# Altium PCB PCB_V_2.PcbDoc
Units mm, origin at the board's own origin, x right, y up, seen from the top; angles counter-clockwise.
Board outline 110 x 73 mm, 2 copper layers (Top Layer, Bottom Layer); 35 components, 51 nets, 179 pads, 21 vias.
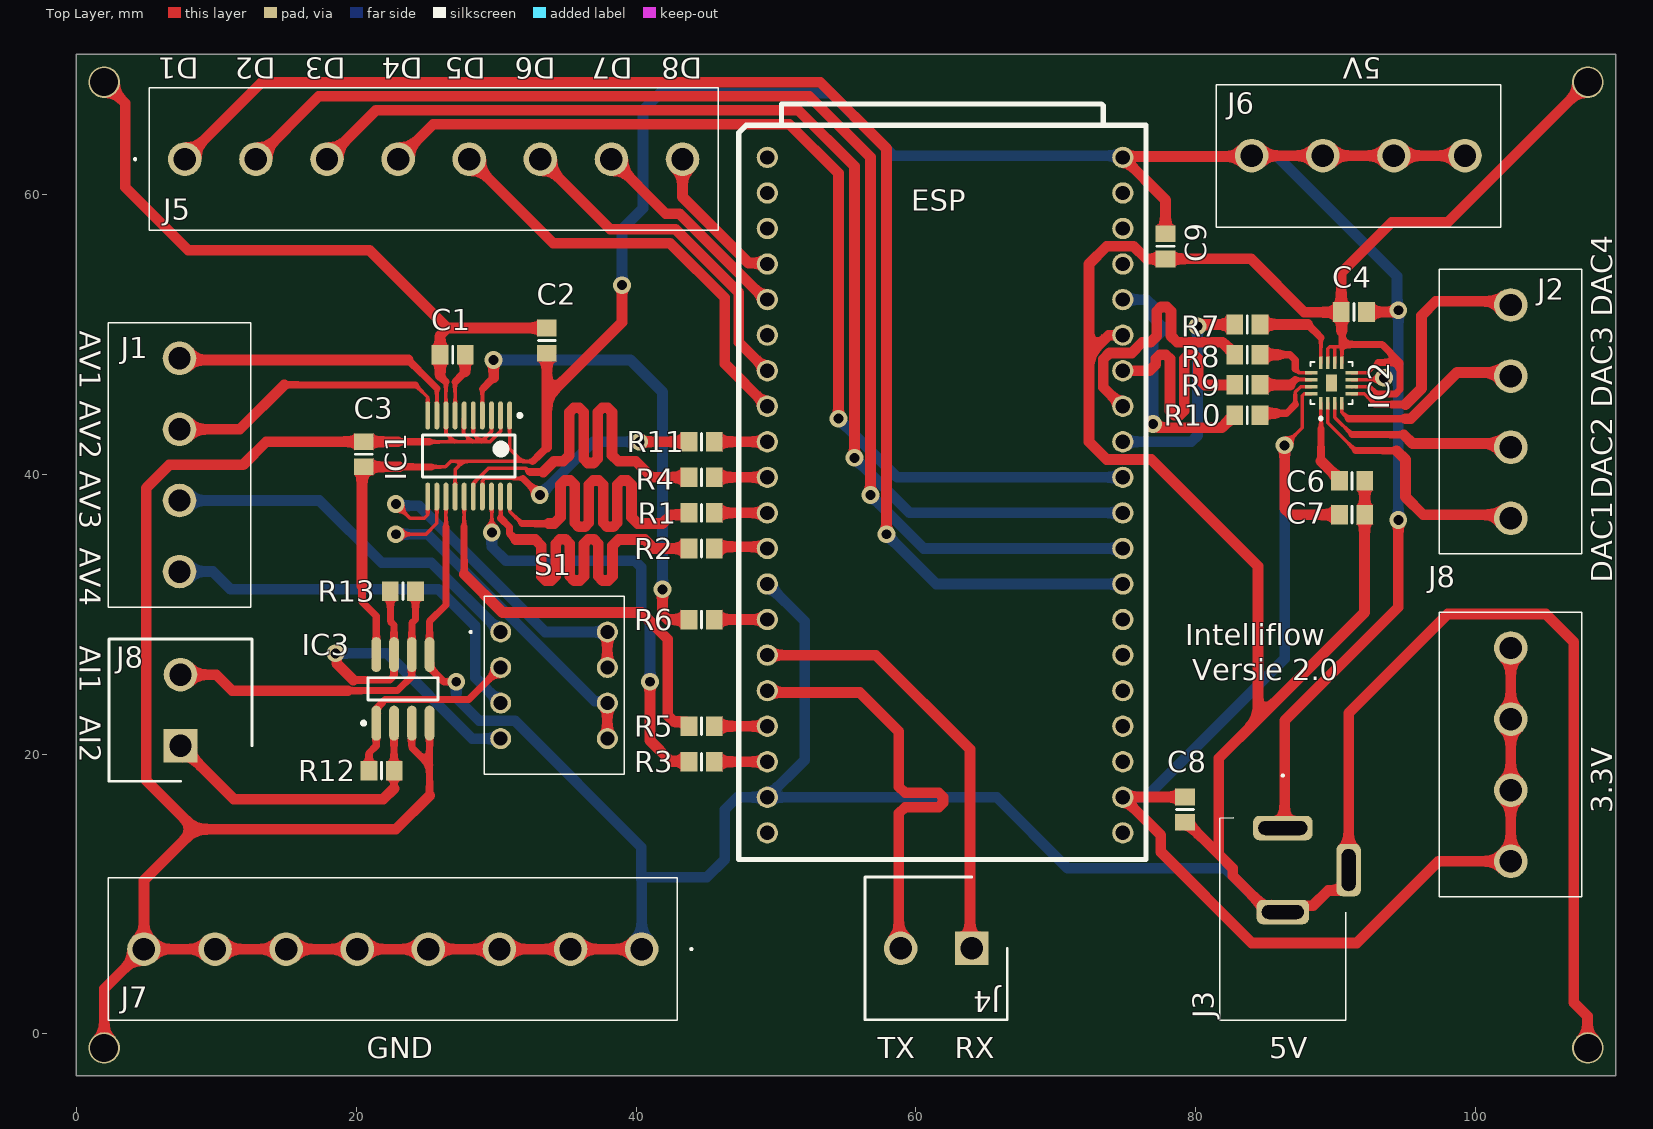
[diagram p0: Top Layer view]
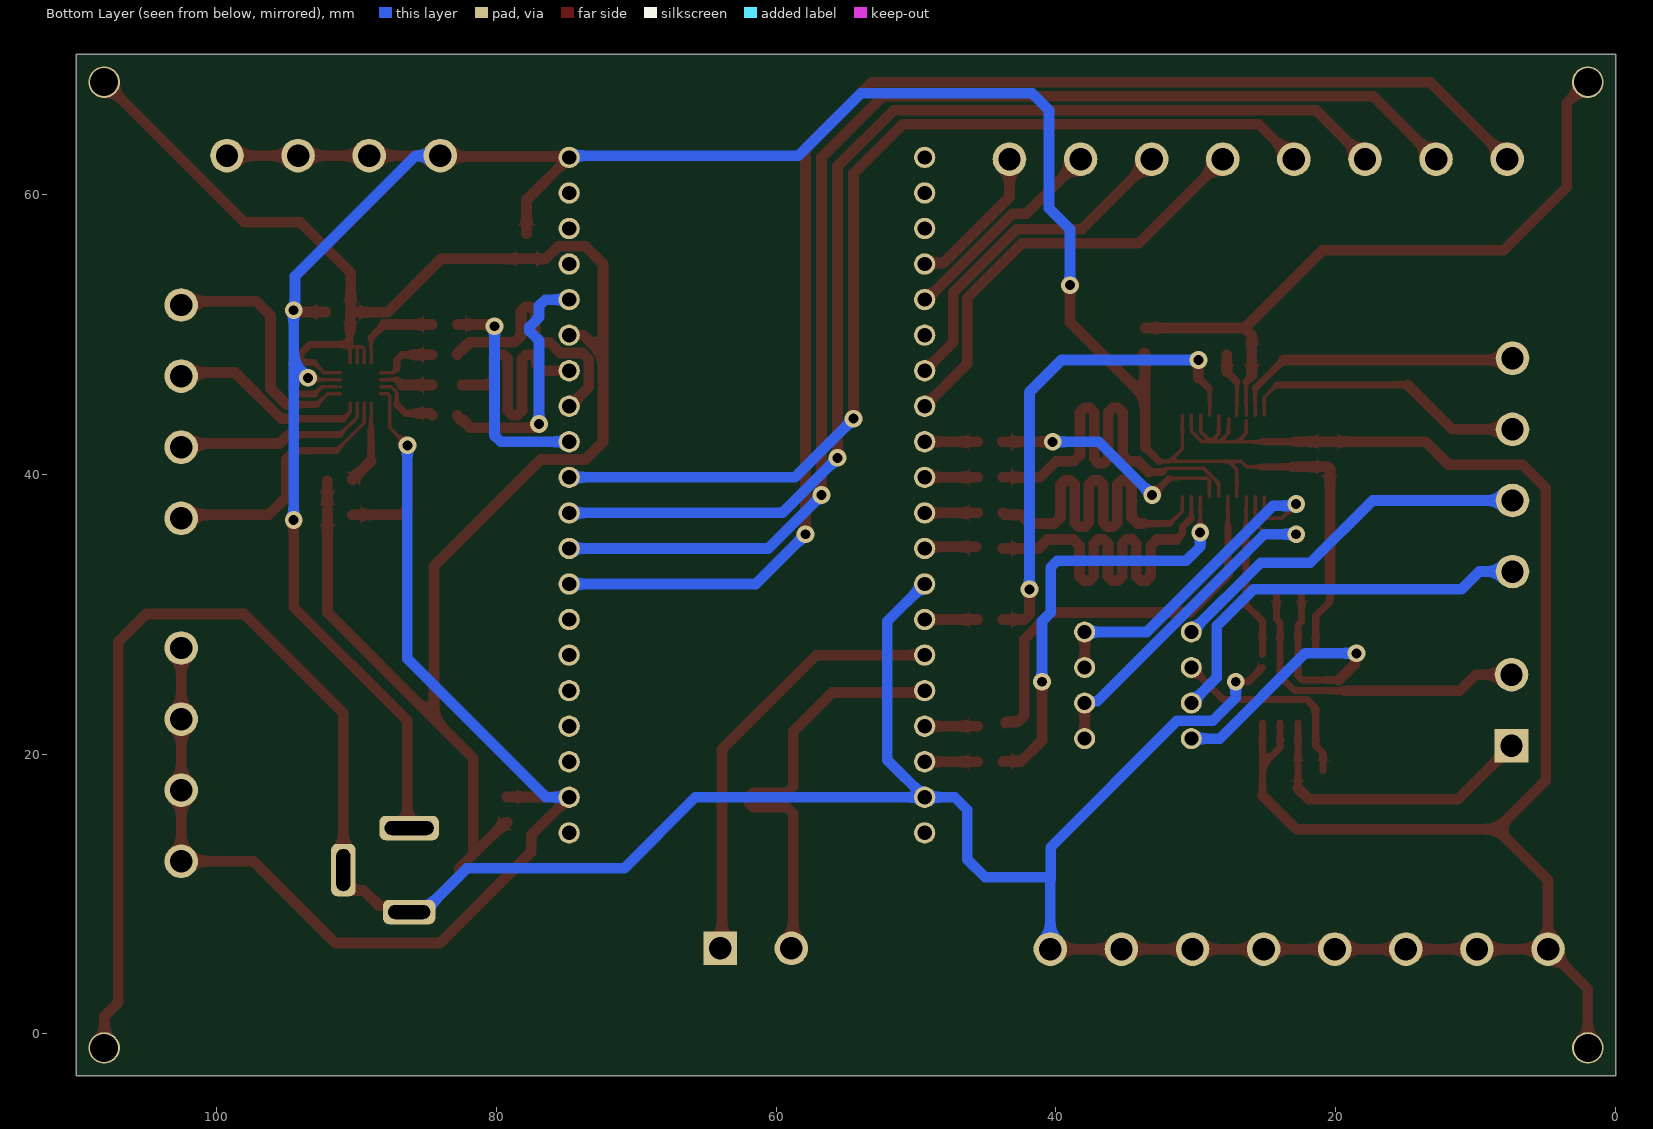
[diagram p1: Bottom Layer view, seen from below]

## Layer stack, top to bottom
Top Solder: solder mask 0.0102, Solder Resist, Dk 3.5
Top Layer: signal copper 0.0356
Dielectric 1: dielectric 0.32, FR-4, Dk 4.8
Bottom Layer: signal copper 0.0356
Bottom Solder: solder mask 0.0102, Solder Resist, Dk 3.5

## Board outline
0,-3 110,-3 110,70 0,70

## Design rules (kind name [scope] priority, off if disabled: settings)
Clearance [IC2] p1: gap=0.178 ignorepadtopadclearanceinfootprint=FALSE
HoleSize [All] p1: absolutevalues=TRUE maxlimit=3.5 minlimit=0.025 maxpercent=80.000 minpercent=20.000
MinimumSolderMaskSliver [All] p1: minsoldermaskwidth=0.025
PolygonConnect [All] p1: connectstyle=Relief reliefconductorwidth=0.254 reliefentries=4 polygonreliefangle="90 Angle" airgapwidth=0.254
RoutingVias [All] p1: holewidth=0.711 width=1.27 viastyle="Through Hole" minholewidth=0.711 minwidth=1.27 maxholewidth=0.711 maxwidth=1.27
SilkToSolderMaskClearance [IsPad] p1: minsilkscreentomaskgap=0.025 clearancetoexposedcopper=TRUE
SolderMaskExpansion [All] p1: expansion=0.102 istentingtop=FALSE
Width Width_1 [All] p1: maxlimit=0.762 minlimit=0.254 preferedwidth=0.762 minimp=50.000000 maximp=50.000000 favimp=50.000000
27 further rules are at their usual default settings.

## Classes and differential pairs
component class Schema_V_2: C1 C2 C3 C4 C6 C7 C8 C9 ESP IC1 IC2 IC3 J1 J2 J3 J4 J5 J6 J7 R1 R2 R3 R4 R5 R6 R7 R8 R9 R10 R11 R12 R13 S1

## Components (designator, comment, footprint, x,y, rotation, side; value= is the part's Value field where it differs from the comment)
C1 "Cap" 6-0805_N 26.9,48.53 r180 top value=1µF
C2 "Cap" 6-0805_N 33.631,49.535 r90 top value=0.1µF
C3 "Cap" 6-0805_N 20.55,41.418 r90 top value=0.1µF
C4 "Cap" 6-0805_N 91.289,51.578 r0 top value=0.1µF
C6 "Cap" 6-0805_N 91.162,39.513 r180 top value=0.1µF
C7 "Cap" 6-0805_N 91.162,37.1 r180 top value=0.1µF
C8 "Cap" 6-0805_N 79.224,16.029 r270 top value=0.1µF
C9 "Cap" 6-0805_N 77.827,56.277 r270 top value=0.1µF
ESP "NodeMcu esp32" ESP32_NODEMCU_V2 74.779,14.367 r180 top
IC1 "ADS1247IPWR" TI-PW20_M 28.043,41.291 r270 top
IC2 "DAC70504RTET" QFN50P300X300X80-17N 89.681,46.502 r90 top
IC3 "LTC6241CS8#PBF" LT-S8-8_M 23.344,24.654 r90 top
J1 "Analoge input" TB00450804BE 7.38,48.276 r270 top
J2 "DAC output" TB00450804BE 102.5,36.84 r90 top
J3 "5V" PJ002BH 86.209,14.712 r270 top
J4 "Uart" SHDR2W100P0X508_1X2_1016X1020X1410P 63.984,6.112 r180 top
J5 "GPIO" TB00450808BE 7.76,62.5 r0 top
J6 "5V" TB00450804BE 99.227,62.754 r180 top
J7 "GND" TB00450808BE 40.4,6.062 r180 top
J8 "3.3V" TB00450804BE 102.5,12.335 r90 top
J8 "Current input" SHDR2W100P0X508_1X2_1016X1020X1410P 7.45,20.59 r90 top
R1 "Res1" 6-0805_N 44.68,37.227 r180 top value=47Ω
R2 "Res1" 6-0805_N 44.68,34.687 r180 top value=47Ω
R3 "Res1" 6-0805_N 44.68,19.447 r180 top value=47Ω
R4 "Res1" 6-0805_N 44.68,39.767 r180 top value=47Ω
R5 "Res1" 6-0805_N 44.68,21.987 r180 top value=47Ω
R6 "Res1" 6-0805_N 44.68,29.607 r180 top value=47Ω
R7 "Res1" 6-0805_N 83.669,50.689 r180 top value=47Ω
R8 "Res1" 6-0805_N 83.669,48.53 r180 top value=47Ω
R9 "Res1" 6-0805_N 83.669,46.371 r180 top value=47Ω
R10 "Res1" 6-0805_N 83.669,44.212 r180 top value=47Ω
R11 "Res1" 6-0805_N 44.68,42.307 r180 top value=47Ω
R12 "Res1" 6-0805_N 21.82,18.812 r180 top value=500Ω
R13 "Res1" 6-0805_N 23.344,31.639 r180 top value=500Ω
S1 "choice ADC V/I" CES0402MC 30.329,28.718 r270 top

## Footprints (in the part's own frame and the unit in brackets; to place one, negate y for a bottom-side part, rotate by r counter-clockwise, add the part's x,y. Pads: shape width x height; smd on the part's side, far side on the other; paste and mask are expansions set on the pad)
6-0805_N [mm] "Chip Resistor, Body 2.0x1.2mm, IPC Medium Density"
  rect 1.2x1.4 smd: 1(-0.9,0) 2(0.9,0)
  silkscreen extent 0,-0.6 0,0.6, body extent -1.07,-0.7 1.07,0.7, height 0.7
CES0402MC [mm]
  round 1.5 hole 1: 1(0,0) 2(2.54,0) 3(5.08,0) 4(7.62,0) 5(7.62,7.62) 6(5.08,7.62) 7(2.54,7.62) 8(0,7.62)
  silkscreen extent -2.56,-2.2 10.18,8.81, body extent -2.56,-1.19 10.18,8.81, height 12.4
ESP32_NODEMCU_V2 [mil]
  round 60 hole 40: 1(0,-100) 2(0,-200) 3(0,-300) 4(0,-400) 5(0,-500) 6(0,-600) 7(0,-700) 8(0,-800) 9(0,-900) 10(0,-1000) 11(0,-1100) 12(0,-1200) 13(0,-1300) 14(0,-1400) 15(0,-1500) 16(0,-1600) 17(0,-1700) 18(0,-1800) 19(0,-1900) 20(1000,-100) 21(1000,-200) 22(1000,-300) 23(1000,-400) 24(1000,-500) 25(1000,-600) 26(1000,-700) 27(1000,-800) 28(1000,-900) 29(1000,-1000) 30(1000,-1100) 31(1000,-1200) 32(1000,-1300) 33(1000,-1400) 34(1000,-1500) 35(1000,-1600) 36(1000,-1700) 37(1000,-1800) 38(1000,-1900) NVT(0,0) NVT(1000,0)
  silkscreen extent -65,-2050 1080,75, body extent -45,-1971 1055,60, height 681
LT-S8-8_M [mm] "SOIC, 8-Leads, Body 4.9x3.9mm, Pitch 1.27mm, IPC Low Density"
  oval 2.5x0.7 smd: 1(-2.45,1.905) 2(-2.45,0.635) 3(-2.45,-0.635) 4(-2.45,-1.905) 5(2.45,-1.905) 6(2.45,-0.635) 7(2.45,0.635) 8(2.45,1.905)
  silkscreen extent -2.57,-2.5 0.8,2.93, body extent -2,-2.5 2,2.5, height 1.76
PJ002BH [mm]
  rrect50% 1.75x4.25 hole 3.5 slot 1 at 0 deg: 1(0,0)
  rrect50% 1.75x3.75 hole 3 slot 1 at 0 deg: 2(6,0)
  rrect50% 3.75x1.75 hole 1 slot 3 at 0 deg: 3(3,4.7)
  silkscreen extent -3.8,-4.5 13.75,4.5, body extent -1.72,-4.5 13.7,6.18, height 11.1
QFN50P300X300X80-17N [mm]
  rrect25% 0.89x0.26 smd: 1(-1.44,0.75) 2(-1.44,0.25) 3(-1.44,-0.25) 4(-1.44,-0.75) 9(1.44,-0.75) 10(1.44,-0.25) 11(1.44,0.25) 12(1.44,0.75)
  rrect25% 0.26x0.89 smd: 5(-0.75,-1.44) 6(-0.25,-1.44) 7(0.25,-1.44) 8(0.75,-1.44) 13(0.75,1.44) 14(0.25,1.44) 15(-0.25,1.44) 16(-0.75,1.44)
  rect 1.2x0.8 smd paste-2: 17(0,0)
  round 0.5 smd: 18(0,0)
  silkscreen extent -2.63,-1.5 1.5,1.5, body extent -1.5,-1.5 1.5,1.5, height 0.8
SHDR2W100P0X508_1X2_1016X1020X1410P [mm]
  rect 2.4x2.4 hole 1.6: 1(0,0)
  round 2.4 hole 1.6: 2(5.08,0)
  silkscreen extent -2.54,-5.1 7.62,5.1, body extent -2.54,-5.1 7.62,5.1, height 14.1
TB00450804BE [mm]
  round 2.4 hole 1.6: 1(0,0) 2(5.08,0) 3(10.16,0) 4(15.24,0)
  silkscreen extent -2.54,-5.08 17.78,5.1, body extent -2.54,-5.1 17.78,5.1, height 14.6
TB00450808BE [mm]
  round 2.4 hole 1.6: 1(0,0) 2(5.08,0) 3(10.16,0) 4(15.24,0) 5(20.32,0) 6(25.4,0) 7(30.48,0) 8(35.56,0)
  silkscreen extent -3.6,-5.08 38.1,5.1, body extent -2.54,-5.1 38.1,5.1, height 14.6
TI-PW20_M [mm] "SOP, 20-Leads, Body 6.5x4.4mm, Pitch 0.65mm, IPC Low Density"
  oval 2x0.35 smd: 1(-2.9,2.925) 2(-2.9,2.275) 3(-2.9,1.625) 4(-2.9,0.975) 5(-2.9,0.325) 6(-2.9,-0.325) 7(-2.9,-0.975) 8(-2.9,-1.625) 9(-2.9,-2.275) 10(-2.9,-2.925) 11(2.9,-2.925) 12(2.9,-2.275) 13(2.9,-1.625) 14(2.9,-0.975) 15(2.9,-0.325) 16(2.9,0.325) 17(2.9,0.975) 18(2.9,1.625) 19(2.9,2.275) 20(2.9,2.925)
  silkscreen extent -3.02,-3.3 1.5,3.78, body extent -2.25,-3.3 2.25,3.3, height 1.2

## Part data
C1 C2 C3 C4 C6 C7 C8 C9: "Capacitor", LatestRevisionDate=17-Jul-2002, LatestRevisionNote="Re-released for DXP Platform.", PackageDescription="Radial Cap, Thru-Hole; 2 Leads; 0.3 in Pin Spacing", PackageReference=RAD-0.3, Published=8-Jun-2000, Publisher="Altium Limited"
IC1: library part CMP-0003-00816-2, "Low Noise, Precision 24-Bit ADC, -40 to 105 degC, 20-pin SOP (PW20), Green (RoHS & no Sb/Br)", Analog Voltage AV/DD(Max)(V)=5.25, Analog Voltage AV/DD(Min)(V)=2.7, Manufacturer="Texas Instruments", # Input Channels=3, Architecture=Delta-Sigma, Code_JEDEC=MO-153, ComponentLink1Description="Manufacturer URL", ComponentLink1URL=http://www.ti.com/, ComponentLink2Description=Datasheet, ComponentLink2URL=http://www.ti.com/general/docs/lit/getliterature.tsp?genericPartNumber=ADS1247&fileType=pdf, ComponentLink3Description="Package Specification", ComponentLink3URL=http://www.ti.com.cn/cn/lit/ml/mpds362/mpds362.pdf, DatasheetVersion=SBAS426G, Digital Supply(Max)(V)=5.25, Digital Supply(Min)(V)=2.7, Eco-Plan="Green (RoHS & no Sb/Br)", Interface="Serial SPI", Mounting Technology="Surface Mount", PackageDescription="20-Pin Plastic Small Outline, Body 6.5 x 4.4 mm, Pitch 0.65 mm", PackageReference=PW20, PackageVersion="4040064-5/G, 02/2011", PartNumber=ADS1247IPWR, Resolution(Bits)=24, Sample Rate (max)(SPS)=2k, SubFamily="Precision ADC (<=10MSPS)"
IC2: library part Component_1
IC3: library part CMP-0359-02669-2, "Dual Channel, Low Noise, CMOS Operational Amplifier, RRO, 18 MHz Typical GBW, 10 V/us Typical SR, 2.8 to 6 V, 8-Pin SOIC (S8-8), Commercial, Pb-Free", Linear Technology Part Number=LTC6241, Manufacturer="Linear Technology", Channels (#)=2, ComponentLink1Description="Manufacturer URL", ComponentLink1URL=http://www.linear.com/, ComponentLink2Description=Datasheet, ComponentLink2URL=http://cds.linear.com/docs/en/datasheet/624012fe.pdf, ComponentLink3Description="Package Specification", ComponentLink3URL=http://cds.linear.com/docs/en/packaging/05081610_G_SO8.pdf, DatasheetVersion="Rev. E", GBW (MHz) Typical=18, Is (mA) Typical=1.8, Mounting Technology="Surface Mount", PackageDescription="8-Pin Plastic Small Outline, Body 4.9 x 3.9 mm, Pitch 1.27 mm", PackageReference=LT-S8-8, PackageVersion="Rev G", PartNumber=LTC6241CS8#PBF, RevisionNote="URLs updated", RoHS=Pb-Free, SR (V/us) Typical=10, Type=VFB, Vos (mV) Typical=0.04, Vs Max (V)=6, Vs Min (V)=2.8
J1 J2 J6 J8: library part TB004-508-04BE, "Connector", Manufacturer_Name="CUI Devices", Mouser Part Number=490-TB004-508-04BE, Datasheet Link=https://www.mouser.de/datasheet/2/670/tb004-508-1550640.pdf, Height=14.5mm, Manufacturer_Part_Number=TB004-508-04BE, Mouser Price/Stock=https://www.mouser.co.uk/ProductDetail/CUI-Devices/TB004-508-04BE?qs=vLWxofP3U2xBEXp2FgncVQ%3D%3D
J3: library part PJ-002BH, "Connector", Manufacturer_Name="CUI Devices", Mouser Part Number=490-PJ-002BH, Arrow Part Number=PJ-002BH, Arrow Price/Stock=https://www.arrow.com/en/products/pj-002bh/cui-devices, Datasheet Link=https://componentsearchengine.com/Datasheets/1/PJ-002BH.pdf, Height=11mm, Manufacturer_Part_Number=PJ-002BH, Mouser Price/Stock=https://www.mouser.co.uk/ProductDetail/CUI-Devices/PJ-002BH?qs=WyjlAZoYn51nOX1h%2FqpLlg%3D%3D
J4 J8: library part TB004-508-02BE, "Connector", Manufacturer_Name="CUI Devices", Mouser Part Number=490-TB004-508-02BE, Arrow Part Number=TB004-508-02BE, Arrow Price/Stock=https://www.arrow.com/en/products/tb004-508-02be/cui-inc, Datasheet Link=https://componentsearchengine.com/Datasheets/1/TB004-508-02BE.pdf, Height=14.1mm, Manufacturer_Part_Number=TB004-508-02BE, Mouser Price/Stock=https://www.mouser.co.uk/ProductDetail/CUI-Devices/TB004-508-02BE?qs=vLWxofP3U2zLwdGzG2tSkA%3D%3D
J5 J7: library part TB004-508-08BE, "Connector", Manufacturer_Name="CUI Devices", Mouser Part Number=490-TB004-508-08BE, Datasheet Link=https://www.mouser.de/datasheet/2/670/tb004-508-1550640.pdf, Height=14.5mm, Manufacturer_Part_Number=TB004-508-08BE, Mouser Price/Stock=https://www.mouser.co.uk/ProductDetail/CUI-Devices/TB004-508-08BE?qs=vLWxofP3U2zcPMkVrCo9Rw%3D%3D
R1 R2 R3 R4 R5 R6 R7 R8 R9 R10 R11 R12 R13: "Resistor", LatestRevisionDate=17-Jul-2002, LatestRevisionNote="Re-released for DXP Platform.", PackageDescription="Axial Device, Thru-Hole; 2 Leads; 0.3 in Pin Spacing", PackageReference=AXIAL-0.3, Published=8-Jun-2000, Publisher="Altium Limited"
S1: library part CES-0402MC, "Switch", Manufacturer_Name="Copal Electronics", Datasheet Link=https://www.nidec-copal-electronics.com/e/catalog/switch/ces.pdf, Height=12.3mm, Manufacturer_Part_Number=CES-0402MC

## Free pads (board coordinates)
  round 2.25 hole 2: 1(2,68) 2(2,-1) 3(108,-1) 4(108,68)

## Via types
v1: diameter 1.27, hole 0.711, Top Layer to Bottom Layer, 21 vias

## Nets (pads, with @x,y where several pads share a name; then routed paths per layer and width w, separated by ;. In a path a pad name is that pad's centre, name@x,y a point inside that pad or via, vN(x,y) a via of type N, cw(c..) or ccw(c..) an arc to the next point about the centre after c; other vN are vias at no path point)
+3.3: C7.2 C8.1 ESP.1 IC2.16 J8.1@102.5,12.335 J8.2@102.5,17.415 J8.3 J8.4 | length 99.1
  Top Layer w0.254: v1(86.336,42.053) 87.606,43.323 87.606,45.603 87.755,45.752 IC2.16
  Top Layer w0.762: C8.1 74.801,16.929 ESP.1 77.5,14.186 77.5,13 84,6.5 91.5,6.5 97.335,12.335 102.5,12.335 102.5,17.415 J8.3 J8.4 ; v1(86.336,42.053) 86.336,37.546 86.782,37.1 C7.2
  Bottom Layer w0.762: ESP.1 76.43,16.907 86.336,26.813 v1(86.336,42.053)
+5: C2.1 C3.1 C4.2 C9.1 ESP.19 IC1.1 IC1.14 IC2.7 IC3.8 J3.1 J6.1 J6.2 J6.3 J6.4 | length 194.4
  Top Layer w0.254: 25.365,40.518 26.381,40.518 26.773,40.91 27.662,40.91 ; IC1.14 27.068,40.316 27.662,40.91 ; IC1.1 30.968,41.795 31.853,40.91 ; 32.615,40.91 31.853,40.91 ; IC2.7 v1@93.321,46.752 ; 27.662,40.91 31.853,40.91
  Top Layer w0.508: 20.423,32.02 20.423,30.877 21.439,29.861 IC3.8 ; 23.079,40.518 25.365,40.518 ; 32.615,40.91 33.631,41.926
  Top Layer w0.762: 20.423,32.02 20.423,40.391 C3.1 23.079,40.518 ; 33.631,41.926 33.631,45.482 ; C2.1@33.631,48.316 33.631,45.482 ; C2.1 C2.1@33.731,48.635 ; v1(39,53.5) 39,50.851 33.631,45.482 ; C9.1 77.827,59.579 ESP.19 74.842,62.691 83.923,62.691 J6.4 J6.3 J6.2 J6.1 ; J3.1 86.336,14.839 86.336,22.368 94.464,30.496 v1(94.464,36.719) ; C4.2 v1@94.337,51.578
  Bottom Layer w0.762: v1(39,53.5) 39,57.5 40.5,59 40.5,66 41.699,67.199 53.951,67.199 58.396,62.754 74.779,62.754 ESP.19 ; J6.4 84.002,62.739 85.761,62.739 94.367,54.133 94.367,51.802 v1(94.464,51.705) 94.464,47.895 ; v1(93.448,46.879) 94.464,47.895 ; v1(94.464,36.719) 94.464,47.895
AI1: IC3.1 R12.2 S1.2 | length 14.8
  Top Layer w0.508: R12.2 20.92,20.071 21.439,20.59 IC3.1 21.439,23.257 22.074,23.892 28.043,23.892 S1.2
AI2: IC3.7 R13.2 S1.4 | length 26
  Top Layer w0.508: 19.788,25.289 22.411,25.289 22.709,25.587 IC3.7 22.709,29.226 22.444,29.491 R13.2
  Top Layer w0.762: v1(18.518,27.194) 18.615,27.097 18.615,26.462 19.788,25.289
  Bottom Layer w0.762: v1(18.518,27.194) 22.201,27.194 28.297,21.098 S1.4
AIN2: IC1.11 S1.7 S1.8 | length 25
  Top Layer w0.254: v1(22.836,37.862) 23.852,36.846 24.487,36.846 24.868,36.846 25.118,37.096 IC1.11
  Top Layer w0.762: S1.7 S1.8
  Bottom Layer w0.762: v1@23.322,37.735 24.487,37.735 33.504,28.718 S1.8
AIN3: IC1.12 S1.5 S1.6 | length 27.8
  Top Layer w0.254: v1(22.836,35.703) 24.995,35.703 25.768,36.476 IC1.12
  Top Layer w0.762: S1.5 S1.6
  Bottom Layer w0.762: v1(22.836,35.703) 25.122,35.703 37.046,23.779 37.808,23.779 S1.6
AV3: J1.3 S1.1 | length 26.8
  Bottom Layer w0.762: J1.3 17.375,38.116 21.82,33.671 25.376,33.671 S1.1
AV4: J1.4 S1.3 | length 29
  Bottom Layer w0.762: J1.4 9.755,33.036 11.025,31.766 25.884,31.766 28.506,29.144 28.506,25.461 S1.3
D1: ESP.7 J5.1 | length 100.3
  Top Layer w0.762: J5.1 13.26,68 53.15,68 57.888,63.262 v1(57.888,35.703)
  Bottom Layer w0.762: v1(57.888,35.703) 61.444,32.147 ESP.7
D2: ESP.8 J5.2 | length 91.3
  Top Layer w0.762: J5.2 17.34,67 52.372,67 56.745,62.627 v1(56.745,38.497)
  Bottom Layer w0.762: v1(56.745,38.497) 60.555,34.687 ESP.8
D3: ESP.9 J5.3 | length 82.4
  Top Layer w0.762: J5.3 21.42,66 51.594,66 55.602,61.992 v1(55.602,41.164)
  Bottom Layer w0.762: v1(55.602,41.164) 59.539,37.227 ESP.9
D4: ESP.10 J5.4 | length 73.5
  Top Layer w0.762: J5.4 25.5,65 50.943,65 54.459,61.484 v1(54.459,43.958)
  Bottom Layer w0.762: v1(54.459,43.958) 58.65,39.767 ESP.10
D5: ESP.31 J5.5 | length 31.4
  Top Layer w0.762: J5.5 34.08,56.5 42.425,56.5 46.331,52.594 46.331,47.895 ESP.31
D6: ESP.32 J5.6 | length 24.6
  Top Layer w0.762: J5.6 38.16,57.5 42.822,57.5 47.347,52.975 47.347,49.419 ESP.32
D7: ESP.34 J5.7 | length 15.3
  Top Layer w0.762: J5.7 42.13,58.609 43.11,58.609 49.252,52.467 ESP.34
D8: ESP.35 J5.8 | length 10.7
  Top Layer w0.762: J5.8 43.32,59.796 48.032,55.084 49.302,55.084 ESP.35
DRDY: ESP.30 R11.1 | length 3.8
  Top Layer w0.762: R11.1 ESP.30
GND: C1.2 C2.2 C3.2 C4.1 C6.1 C7.1 C8.2 C9.2 ESP.14 ESP.20 ESP.26 IC1.2 IC1.3 IC1.5 IC1.6 IC1.8 IC1.13 IC2.6 IC2.8 IC2.9 IC2.10 IC2.11 IC3.3 IC3.4 IC3.5 J3.2 J3.3 J7.1 J7.2 J7.3 J7.4 J7.5 J7.6 J7.7 J7.8 pad.1 pad.2 pad.3 pad.4 | length 521.5
  Top Layer w0.254: 25.249,42.307 27.027,42.307 ; 26.418,36.211 IC1.13 ; IC1.8@26.418,43.805 26.418,42.916 27.027,42.307 ; IC1.8 26.418,46.599 ; IC1.6@27.662,43.958 27.662,42.942 28.297,42.307 ; IC1.5 28.368,42.871 28.932,42.307 ; IC1.3 29.668,43.043 28.932,42.307 ; IC1.2 30.318,43.058 29.567,42.307 28.932,42.307 ; IC2.11 89.431,48.958 89.572,49.099 89.782,49.099 ; IC2.10 89.931,48.95 89.782,49.099 ; IC2.9 90.431,49.261 90.269,49.099 89.782,49.099 ; IC2.6 IC2.6@91.124,46.249 ; IC2.8 91.124,47.255 92.305,47.255 ; IC2.6@91.416,46.244 92.432,46.244 92.94,45.736 ; 92.305,47.26 93.023,47.978 ; 27.027,42.307 28.297,42.307 ; 28.297,42.307 28.932,42.307
  Top Layer w0.508: 22.963,42.307 25.249,42.307 ; IC3.3 23.979,20.463 25.249,19.193 ; 25.249,17.034 25.249,19.193 ; IC3.4 25.249,19.193 ; IC3.5@25.249,26.178 26.265,25.162 v1(27.154,25.162) ; IC3.5 25.249,29.48 26.418,30.649 26.418,36.211 ; 26,47.017 26.418,46.599 ; 90.42,50.165 90.431,50.154 90.431,49.261 93.308,49.261 94.591,47.978 ; 92.94,45.736 94.293,45.736 94.591,46.034 94.591,47.978 ; 93.023,47.978 94.591,47.978
  Top Layer w0.762: pad.2@1.914,-0.357 1.92,-0.408 pad.2 2,3.222 J7.8 ; pad.1 3.5,66.5 3.5,60.5 8,56 20.954,56 26.519,50.435 ; 22.963,42.307 C3.2 13.576,42.318 11.914,40.656 6.656,40.656 5,39 5,18.106 8.485,14.621 ; 25.249,17.034 22.836,14.621 8.485,14.621 ; 26,47.017 C1.2 26,49.916 26.519,50.435 ; C2.2 26.519,50.435 ; J7.1 J7.2 J7.3 J7.4 J7.5 J7.6 J7.7 J7.8 ; ESP.14 73.763,49.927 72.366,48.53 ; C8.2 79.324,15.129 81.623,12.83 ; 90.42,50.165 90.42,51.547 C4.1@90.405,51.563 ; C7.1@92.051,37.1 92.051,30.115 84.431,22.495 ; C7.1 C6.1 ; pad.4 98,58 94,58 90.389,54.389 C4.1 C4.1@90.405,51.563 ; pad.3@108.362,-1.155 pad.3 107.982,-0.982 107.982,1.268 107,2.25 107,28 105,30 98,30 90.909,22.909 J3.3 90.909,10.743 90.419,10.253 89.45,10.253 88.368,9.171 86.668,9.171 J3.2 85.209,8.712 82.626,11.295 82.626,11.827 81.623,12.83 ; J7.8 4.84,10.976 8.485,14.621 ; 72.366,48.53 72.366,55.007 73.636,56.277 75.541,56.277 76.441,55.377 C9.2 83.934,55.377 87.748,51.563 C4.1@90.405,51.563 ; 72.366,48.53 72.366,42.307 73.636,41.037 76.811,41.037 84.431,33.417 84.431,22.495 ; 81.623,12.83 81.637,12.843 81.637,19.701 84.431,22.495
  Bottom Layer w0.762: v1(27.154,25.162) 27.154,24.019 28.805,22.368 31.345,22.368 40.37,13.343 40.37,11.03 40.4,11 ; J7.1 40.4,11 ; ESP.26 52.046,29.48 52.046,19.574 ESP.20 ; J3.2 85.209,8.712 82.094,11.827 70.842,11.827 65.762,16.907 ESP.20 ; 40.4,11 40.592,11.192 45.061,11.192 46.331,12.462 46.331,16.018 47.22,16.907 ESP.20
H-SS: ESP.11 R7.2 | length 16
  Top Layer w0.762: v1(80.113,50.562) 80.24,50.689 R7.2
  Bottom Layer w0.762: ESP.11 79.667,42.307 80.113,42.753 v1(80.113,50.562)
HCLK: ESP.12 R8.2 | length 18.4
  Top Layer w0.762: ESP.12 74.744,44.847 73.382,46.209 73.382,48.211 73.828,48.657 75.414,48.657 76.176,49.419 76.373,49.419 76.754,49.419 77.201,49.865 77.201,51.637 77.505,51.942 77.912,51.942 78.217,51.637 78.217,49.865 78.663,49.419 79.759,49.419 81.88,49.419 82.45,48.849 82.55,48.849 82.769,48.63 R8.2
HMISO: ESP.13 R9.2 | length 18
  Top Layer w0.762: ESP.13 75.669,47.387 76.682,47.387 77.128,47.833 77.128,48.233 77.433,48.538 77.839,48.538 78.144,48.233 78.144,44.529 78.449,44.225 78.855,44.225 79.16,44.529 79.16,48.233 79.465,48.538 79.871,48.538 80.176,48.233 80.176,46.817 80.622,46.371 81.759,46.371 82.088,46.371 R9.2@82.399,46.371
HMOSI: ESP.15 R10.2 | length 17.7
  Top Layer w0.762: v1(76.938,43.577) 77.075,43.577 77.329,43.323 81.85,43.323 82.42,43.893 82.55,43.893 82.769,44.112 R10.2
  Bottom Layer w0.762: ESP.15 76.492,52.467 76.938,52.021 76.938,51.578 76.938,51.197 77.384,50.751 77.613,50.522 77.613,50.217 77.384,49.989 76.938,49.542 76.938,46.498 v1(76.938,43.577)
NetC1_1: C1.1 IC1.7 | length 4.6
  Top Layer w0.254: IC1.7 27.068,46.584
  Top Layer w0.508: 27.068,46.584 27.789,47.305
  Top Layer w0.762: 27.789,47.305 C1.1@27.789,48.519
NetC6_2: C6.2 IC2.1 | length 6
  Top Layer w0.254: 88.931,43.262 IC2.1
  Top Layer w0.508: 88.931,43.262 88.937,43.256 88.937,40.938
  Top Layer w0.762: 88.937,40.938 C6.2@90.262,39.613
NetIC1_4: IC1.4 R6.2 | length 35.2
  Top Layer w0.254: IC1.4 29.018,46.076
  Top Layer w0.508: 29.018,46.076 29.821,46.879
  Top Layer w0.762: 29.821,46.879 v1(29.821,48.149) ; v1(41.886,31.766) 41.886,29.988 42.267,29.607 R6.2
  Bottom Layer w0.762: v1(29.821,48.149) 39.6,48.149 41.886,45.863 v1(41.886,31.766)
NetIC1_9: IC1.9 J1.1 | length 21.2
  Top Layer w0.254: IC1.9 25.768,46.106
  Top Layer w0.508: 23.725,48.149 25.768,46.106
  Top Layer w0.762: J1.1 7.507,48.149 23.725,48.149
NetIC1_10: IC1.10 J1.2 | length 20.7
  Top Layer w0.254: 24.233,46.371 25.118,45.486 IC1.10
  Top Layer w0.508: 14.871,46.371 24.233,46.371
  Top Layer w0.762: J1.2 11.696,43.196 14.871,46.371
NetIC1_15: IC1.15 R5.2 | length 29.4
  Top Layer w0.254: 27.718,36.267 IC1.15 ; R5.2@43.572,22.195 R5.2
  Top Layer w0.508: 27.718,32.853 27.718,36.267
  Top Layer w0.762: 27.718,32.853 30.456,30.115 36.425,30.115 40.362,30.115 42.267,28.21 42.267,22.752 42.713,22.306 43.561,22.306 43.572,22.295 R5.2@43.572,22.195
NetIC1_16: IC1.16 R4.2 | length 31.6
  Top Layer w0.254: IC1.16 28.368,39.33 29.44,40.402 32.107,40.402 32.361,40.148
  Top Layer w0.508: 32.361,40.148 33.377,40.148
  Top Layer w0.762: 33.377,40.148 34.139,40.91 34.411,40.91 34.792,40.91 35.238,41.356 35.238,44.425 35.543,44.73 35.949,44.73 36.254,44.425 36.254,41.099 36.559,40.794 36.965,40.794 37.27,41.099 37.27,44.425 37.575,44.73 37.981,44.73 38.286,44.425 38.286,41.356 38.732,40.91 39.219,40.91 39.981,40.91 41.124,39.767 R4.2
NetIC1_17: IC1.17 R11.2 | length 18.1
  Top Layer w0.254: IC1.17 29.036,38.409 29.036,39.302 29.043,39.309 29.043,39.544 29.192,39.693 31.927,39.693
  Top Layer w0.508: 31.927,39.693 v1(33.123,38.497)
  Top Layer w0.762: v1(40.235,42.307) R11.2@43.813,42.307
  Bottom Layer w0.762: v1(33.123,38.497) 36.933,42.307 v1(40.235,42.307)
NetIC1_18: IC1.18 R3.2 | length 30.9
  Top Layer w0.254: v1(29.694,35.83) IC1.18@29.694,38.365
  Top Layer w0.762: v1(40.997,25.162) 40.997,20.971 42.483,19.485 43.742,19.485 R3.2
  Bottom Layer w0.762: v1(29.694,35.83) 29.694,34.814 30.71,33.798 39.916,33.798 40.362,33.352 40.362,30.115 40.997,29.48 v1(40.997,25.162)
NetIC1_19: IC1.19 R2.2 | length 31.5
  Top Layer w0.254: IC1.19 30.329,38.38 30.329,36.846
  Top Layer w0.508: 30.329,36.846 30.964,36.211 30.964,35.751 31.393,35.322
  Top Layer w0.762: 31.393,35.322 31.639,35.322 32.79,35.322 33.236,34.876 33.236,32.697 33.541,32.393 33.947,32.393 34.252,32.697 34.252,35.033 34.557,35.338 34.963,35.338 35.268,35.033 35.268,32.697 35.573,32.393 35.979,32.393 36.284,32.697 36.284,35.033 36.589,35.338 36.995,35.338 37.3,35.033 37.3,32.697 37.605,32.393 38.011,32.393 38.316,32.697 38.316,34.876 38.762,35.322 40.616,35.322 41.251,34.687 R2.2
NetIC1_20: IC1.20 R1.2 | length 31.7
  Top Layer w0.254: IC1.20 30.986,38.373 30.986,37.332 31.853,36.465
  Top Layer w0.508: 31.853,36.465 33.758,36.465
  Top Layer w0.762: 33.758,36.465 33.771,36.465 34.152,36.465 34.598,36.911 34.598,39.242 34.903,39.547 35.309,39.547 35.614,39.242 35.614,36.531 35.919,36.226 36.325,36.226 36.63,36.531 36.63,39.242 36.935,39.547 37.341,39.547 37.646,39.242 37.646,36.531 37.951,36.226 38.357,36.226 38.662,36.531 38.662,39.232 38.967,39.537 39.373,39.537 39.678,39.232 39.678,36.911 40.125,36.465 41.886,36.465 42.518,37.097 42.76,37.097 43.65,37.097 R1.2
NetIC2_2: IC2.2 J2.1 | length 18.9
  Top Layer w0.254: IC2.2 89.431,43.657 91.416,41.672
  Top Layer w0.508: 91.416,41.672 94.337,41.672
  Top Layer w0.762: 94.337,41.672 94.972,41.037 94.972,38.37 96.242,37.1 102.24,37.1 J2.1
NetIC2_3: IC2.3 J2.2 | length 14.5
  Top Layer w0.254: IC2.3 89.931,44.046 91.162,42.815
  Top Layer w0.508: 91.162,42.815 94.845,42.815
  Top Layer w0.762: 94.845,42.815 95.48,42.18 102.24,42.18 J2.2
NetIC2_4: IC2.4 J2.3 | length 14.4
  Top Layer w0.254: IC2.4 90.431,44.435 90.908,43.958
  Top Layer w0.508: 90.908,43.958 94.972,43.958
  Top Layer w0.762: 94.972,43.958 95.353,43.958 98.649,47.254 102.246,47.254 J2.3
NetIC2_5: IC2.5 J2.4 | length 17.9
  Top Layer w0.254: IC2.5 92.035,45.752 92.813,44.974
  Top Layer w0.508: 92.813,44.974 94.972,44.974
  Top Layer w0.762: 94.972,44.974 96.115,46.117 96.115,51.324 97.131,52.34 102.24,52.34 J2.4
NetIC2_12: IC2.12 R7.1 | length 6.6
  Top Layer w0.254: IC2.12 88.931,49.745
  Top Layer w0.508: 87.987,50.689 88.931,49.745
  Top Layer w0.762: R7.1 87.987,50.689
NetIC2_13: IC2.13 R8.1 | length 4.6
  Top Layer w0.254: 87.098,47.514 87.36,47.252 IC2.13
  Top Layer w0.508: 85.955,48.53 86.717,48.53 87.098,48.149 87.098,47.514
  Top Layer w0.762: R8.1 85.955,48.53
NetIC2_14: IC2.14 R9.1 | length 3.8
  Top Layer w0.254: 87.098,46.752 IC2.14
  Top Layer w0.508: 86.717,46.371 87.098,46.752
  Top Layer w0.762: R9.1 86.717,46.371
NetIC2_15: IC2.15 R10.1 | length 5
  Top Layer w0.254: 87.098,44.974 87.098,45.863 87.479,46.244 87.479,46.249 88.238,46.249 IC2.15
  Top Layer w0.508: 85.701,44.339 86.463,44.339 87.098,44.974
  Top Layer w0.762: R10.1 84.696,44.339 85.701,44.339
NetIC3_2: IC3.2 J8.1@7.45,20.59 R12.1 | length 21.8
  Top Layer w0.508: 22.709,17.542 IC3.2
  Top Layer w0.762: J8.1@7.45,20.59 11.26,16.78 11.66,16.78 21.947,16.78 22.709,17.542
NetIC3_6: IC3.6 J8.2@7.45,25.67 R13.1 | length 23.6
  Top Layer w0.508: 19.407,24.527 22.963,24.527 23.979,25.543 IC3.6 23.979,29.353 24.244,29.618 R13.1
  Top Layer w0.762: J8.2@7.45,25.67 10.004,25.67 11.147,24.527 19.407,24.527
RESET: ESP.25 R6.1 | length 3.8
  Top Layer w0.762: R6.1 ESP.25
RX: ESP.24 J4.1 | length 31.5
  Top Layer w0.762: ESP.24 57.126,27.067 63.857,20.336 63.857,6.239 J4.1
START: ESP.22 R5.1 | length 3.8
  Top Layer w0.762: R5.1 ESP.22
TX: ESP.23 J4.2 | length 31.6
  Top Layer w0.762: ESP.23 49.506,24.4 55.983,24.4 58.777,21.606 58.777,21.225 58.777,20.082 58.777,17.669 59.223,17.223 61.627,17.223 61.932,16.918 61.932,16.511 61.627,16.207 59.223,16.207 58.777,15.76 58.777,14.752 58.777,6.239 J4.2
V-SS: ESP.29 R4.1 | length 3.8
  Top Layer w0.762: R4.1 ESP.29
VCLK: ESP.28 R1.1 | length 3.8
  Top Layer w0.762: R1.1 ESP.28
VMISO: ESP.27 R2.1 | length 3.6
  Top Layer w0.762: R2.1@45.696,34.814 ESP.27@49.252,34.814
VMOSI: ESP.21 R3.1 | length 3.8
  Top Layer w0.762: R3.1 ESP.21
pads on no net: ESP.2 ESP.3 ESP.4 ESP.5 ESP.6 ESP.16 ESP.17 ESP.18 ESP.33 ESP.36 ESP.37 ESP.38 ESP.NVT IC2.17 IC2.18

## Silkscreen, mask and mechanical layers (free items; w line width, h text height)
Top Overlay:
  text "D1" at 8.746,69.746 h1.52 r180
  text "D2" at 14.246,69.746 h1.52 r180
  text "D3" at 19.246,69.746 h1.52 r180
  text "D4" at 24.746,69.746 h1.52 r180
  text "D5" at 29.246,69.746 h1.52 r180
  text "D6" at 34.246,69.746 h1.52 r180
  text "D7" at 39.746,69.746 h1.52 r180
  text "D8" at 44.746,69.746 h1.52 r180
  text "5V" at 93.246,69.746 h1.52 r180
  text "DAC4" at 109.746,51.254 h1.52 r90
  text "AV1" at 0.254,50.246 h1.52 r270
  text "AV2" at 0.254,45.246 h1.52 r270
  text "DAC3" at 109.746,44.754 h1.52 r90
  text "AV3" at 0.254,40.246 h1.52 r270
  text "DAC2" at 109.746,38.254 h1.52 r90
  text "AV4" at 0.254,34.746 h1.52 r270
  text "DAC1" at 109.746,32.254 h1.52 r90
  text "Intelliflow" at 79.254,27.754 h1.52
  text "AI1" at 0.254,27.746 h1.52 r270
  text "Versie 2.0" at 79.754,25.254 h1.52
  text "AI2" at 0.254,22.746 h1.52 r270
  text "3.3V" at 109.746,15.754 h1.52 r90
  text "GND" at 20.754,-1.746 h1.52
  text "TX" at 57.254,-1.746 h1.52
  text "RX" at 62.754,-1.746 h1.52
  text "5V" at 85.254,-1.746 h1.52